# KiCad board driver.kicad_pcb (continued)
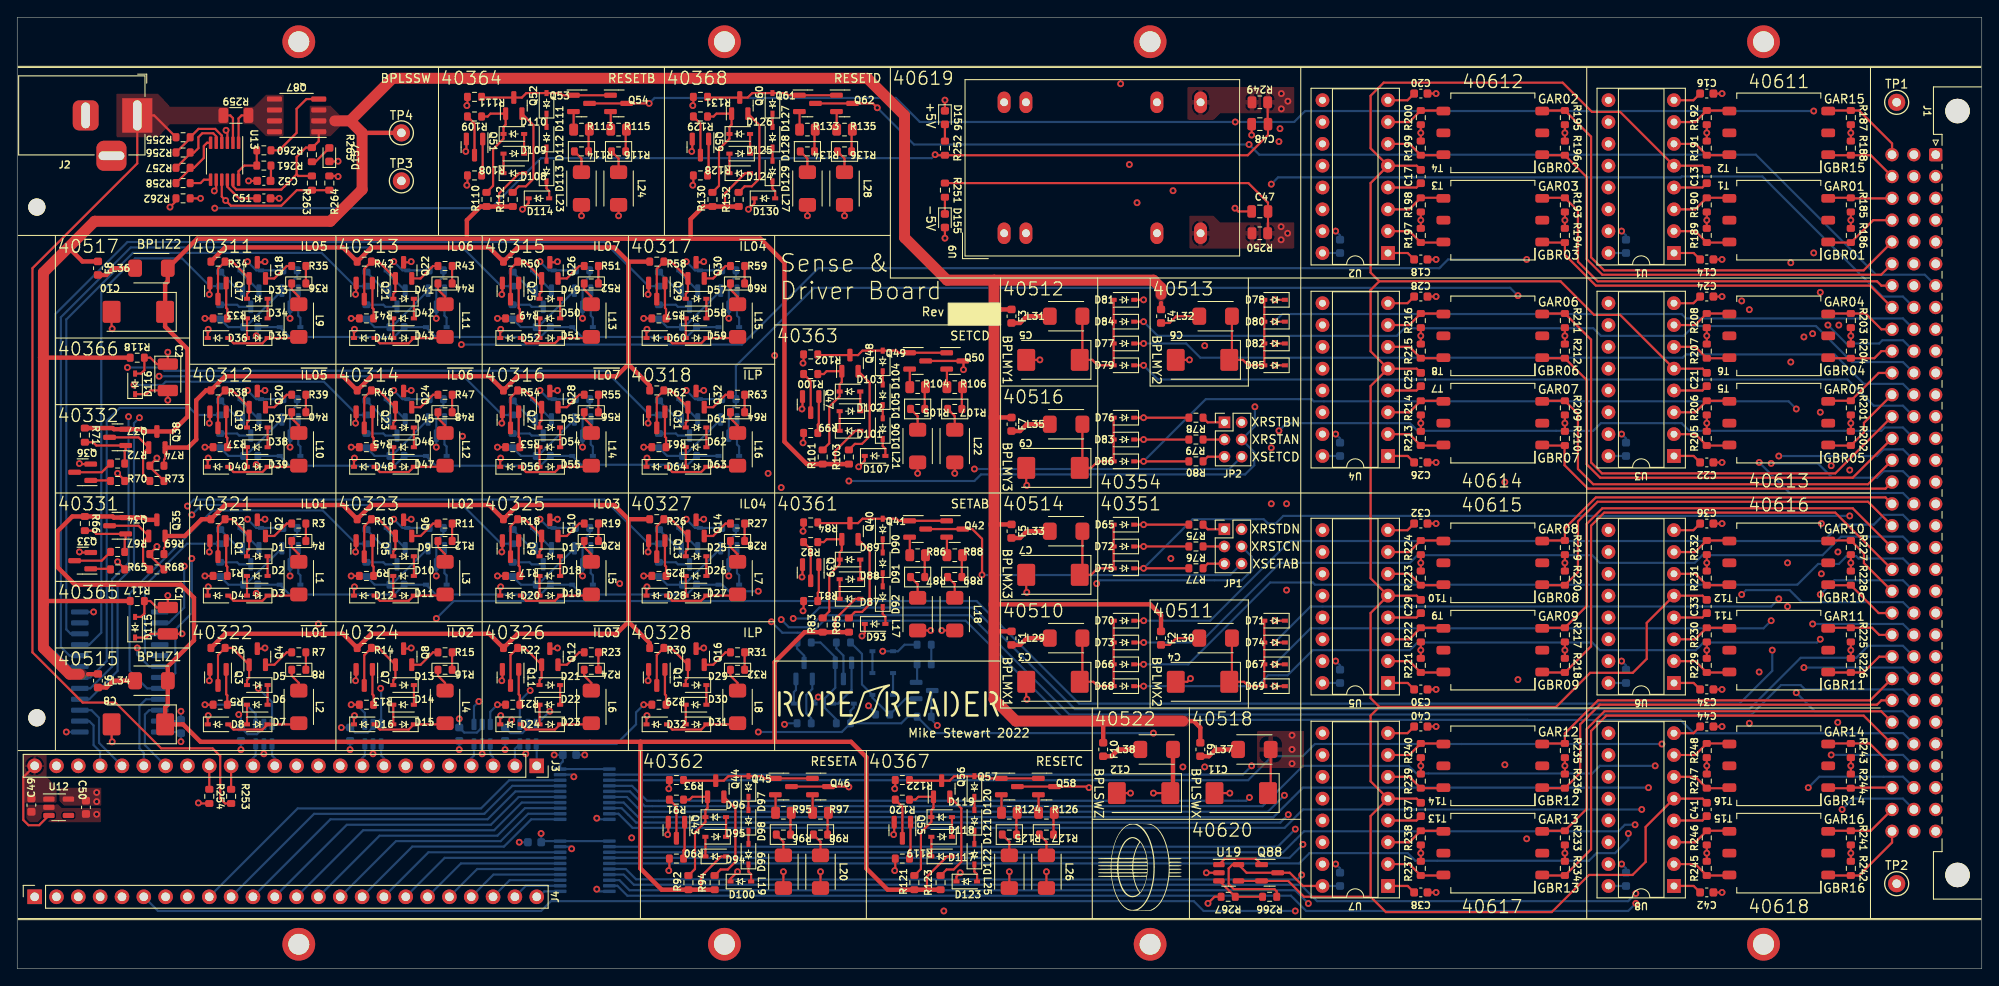
[diagram p0: board, top side]
## Routing (per net, layer and track width the routed paths; a pad name or vN(x,y) marks a point on that pad's centre or on a via; arc(x,y) is an arc through that point) (continued)
/Connector/XCN4: length 164
  Top w0.254: v1(79.88,82.3) 79.8,82.22 Q30.3
  In2.Cu w0.254: v1(213.23,58.04) 211.96,59.31 v1(211.96,74.91)
  In3.Cu w0.254: v1(211.96,74.91) 206.48,80.39 150.5,80.39 148.59,82.3 v1(79.88,82.3) ; J1.a16 221.96,57.91 213.36,57.91 v1(213.23,58.04)
/Connector/XCN5: length 199.4
  Top w0.254: Q20.3 28.75,67.23 v1(28.83,67.31)
  In3.Cu w0.254: v1(28.83,67.31) 30.99,65.15 89.79,65.15 90.68,64.26 91.82,64.26 92.71,65.15 143,65.15 144.65,63.5 160.4,63.5 161.29,64.39 180.59,64.39 181.48,63.5 195.2,63.5 196.09,62.61 216.41,62.61 216.79,62.99 221.96,62.99 J1.a14
/Connector/XCN6: length 180.6
  Top w0.254: v1(45.85,67.31) 45.77,67.23 Q24.3
  In3.Cu w0.254: J1.a12 221.96,68.07 217.42,68.07 215.39,66.04 150.88,66.04 150.62,66.29 90.93,66.29 90.42,65.79 47.37,65.79 v1(45.85,67.31)
/Connector/XCN7: length 165
  Top w0.254: Q28.3 62.79,67.23 v1(62.87,67.31)
  In3.Cu w0.254: v1(62.87,67.31) 63.75,66.42 90.17,66.42 90.68,66.93 149.22,66.93 150.88,68.58 202.56,68.58 206.63,72.64 216.92,72.64 217.42,73.15 221.96,73.15 J1.a10
/Connector/XCN8: length 197.9
  Top w0.254: v1(79.88,67.31) 79.8,67.23 Q32.3
  In2.Cu w0.254: v1(201.55,76.71) v1(201.55,28.58)
  In3.Cu w0.254: v1(201.55,76.71) 201.04,76.2 150.5,76.2 148.34,74.04 145.8,74.04 139.45,67.69 90.17,67.69 89.79,67.31 v1(79.88,67.31) ; J1.a27 221.96,29.97 215.77,29.97 215.14,30.61 203.58,30.61 v1(201.55,28.58)
/Connector/XFN1: length 203.8
  Top w0.254: Q2.3 28.75,52.25 v1(28.83,52.32)
  In2.Cu w0.254: v1(209.93,51.82) v1(209.93,45.97)
  In3.Cu w0.254: J1.a21 221.96,45.21 210.69,45.21 v1(209.93,45.97) ; v1(28.83,52.32) 30.35,50.8 81.41,50.8 83.31,52.71 209.04,52.71 v1(209.93,51.82)
/Connector/XFN2: length 181.5
  Top w0.254: Q6.3 45.77,52.25 v1(45.85,52.32)
  In3.Cu w0.254: J1.a19 221.96,50.29 217.17,50.29 213.87,53.59 212.85,53.59 212.6,53.34 82.93,53.34 81.03,51.44 46.74,51.44 v1(45.85,52.32)
/Connector/XFN3: length 163.1
  Top w0.254: Q10.3 62.79,52.25 v1(62.87,52.32)
  In3.Cu w0.254: J1.a17 221.96,55.37 217.17,55.37 216.79,54.99 79.12,54.99 76.45,52.32 v1(62.87,52.32)
/Connector/XFN4: length 152.4
  Top w0.254: Q14.3 79.8,52.25 v1(79.88,52.32)
  In2.Cu w0.254: v1(145.92,54.12) v1(145.92,60.63)
  In3.Cu w0.254: v1(145.92,54.12) 82.44,54.12 80.65,52.32 v1(79.88,52.32) ; v1(145.92,60.63) 146.25,60.96 194.06,60.96 194.56,60.45 221.96,60.45 J1.a15
/Connector/XFN5: length 213.6
  Top w0.254: Q18.3 28.75,82.22 v1(28.83,82.3)
  In2.Cu w0.254: v1(209.8,78.72) v1(209.8,64.77)
  In3.Cu w0.254: J1.a13 221.96,65.53 210.57,65.53 v1(209.8,64.77) ; v1(28.83,82.3) 30.35,80.77 63.63,80.77 66.04,83.19 148.59,83.19 150.75,81.03 207.5,81.03 v1(209.8,78.72)
/Connector/XFN6: length 192.9
  Top w0.254: Q22.3 45.77,82.22 v1(45.85,82.3)
  In2.Cu w0.254: v1(206.38,82.17) v1(206.38,70.61)
  In3.Cu w0.254: J1.a11 221.96,70.61 v1(206.38,70.61) ; v1(45.85,82.3) 46.74,81.41 63.37,81.41 65.79,83.82 148.84,83.82 151,81.66 205.87,81.66 v1(206.38,82.17)
/Connector/XFN7: length 170.4
  Top w0.254: Q26.3 62.79,82.22 v1(62.87,82.3)
  In3.Cu w0.254: v1(62.87,82.3) 65.02,84.46 105.54,84.46 108.71,87.63 149.48,87.63 149.99,87.12 160.53,87.12 161.42,88.01 183.13,88.01 184.02,87.12 193.93,87.12 194.82,88.01 201.68,88.01 214,75.69 221.96,75.69 J1.a9
/Connector/XFN8: length 147.3
  Top w0.254: Q16.3 79.8,37.26 v1(79.88,37.34)
  In3.Cu w0.254: J1.a25 221.96,35.05 217.17,35.05 216.03,36.2 196.22,36.2 195.33,37.08 184.28,37.08 183.39,36.2 162.94,36.2 162.05,37.08 150.88,37.08 150.11,36.32 130.3,36.32 130.05,36.07 100.2,36.07 98.93,37.34 v1(79.88,37.34)
/Connector/XRST1: length 212.2
  Top w0.254: Q45.3 Q46.3 96.73,21.21 v1(96.77,21.16)
  In2.Cu w0.254: v1(144.02,65.41) 144.02,94.85 v1(146.94,97.77) ; v1(96.77,21.16) v1(96.77,56.77)
  In3.Cu w0.254: J1.a2 221.96,93.47 211.84,93.47 205.49,99.82 148.99,99.82 v1(146.94,97.77)
  Bottom w0.254: v1(144.02,65.41) 144.02,63.14 142.48,61.59 143.94,60.13 143.94,58.6 142.88,57.53 112.14,57.53 111.38,56.77 v1(96.77,56.77)
/Connector/XRST2: length 210.9
  Top w0.254: Q53.3 Q54.3 v1(73.53,100.71)
  In2.Cu w0.254: 142.48,63.59 142.48,97.81 v1(141.73,98.55) ; v1(209.04,99.82) v1(209.04,83.31)
  In3.Cu w0.254: v1(209.04,83.31) 221.96,83.31 J1.a6
  Bottom w0.254: v1(209.04,99.82) 149.86,99.82 148.59,98.55 v1(141.73,98.55) 105.03,98.55 102.24,101.35 74.17,101.35 v1(73.53,100.71)
/Connector/XRST3: length 184.8
  Top w0.254: v1(124.71,21.08) 124.59,21.21 Q58.3 Q57.3
  In2.Cu w0.254: v1(124.71,21.08) 125.6,21.97 v1(125.6,44.83) ; JP1.4 144.91,51.59 144.91,94.36 v1(146.81,96.27)
  In3.Cu w0.254: J1.a3 221.96,90.93 212.98,90.93 205.74,98.17 194.69,98.17 193.8,97.28 181.74,97.28 180.85,98.17 161.67,98.17 160.78,97.28 147.83,97.28 v1(146.81,96.27)
  Bottom w0.254: JP1.4 143.64,47.97 143.64,46.36 142.49,45.21 125.98,45.21 v1(125.6,44.83)
/Connector/XRST4: length 184.8
  Top w0.254: Q61.3 Q62.3 99.57,100.71 v1(100.08,100.2)
  In2.Cu w0.254: JP1.2 143.76,52.45 143.76,64.39 143.13,65.02 143.13,95.12 143.34,95.33 v1(143.34,95.93)
  Bottom w0.254: J1.a7 221.96,80.77 216.28,80.77 202.31,94.74 144.53,94.74 v1(143.34,95.93) 104.35,95.93 v1(100.08,100.2)
/Connector/XSET1: length 146
  Top w0.254: v1(112.27,45.85) 112.27,50.04 111.12,51.18 Q42.3 Q41.3
  In2.Cu w0.254: v1(211.84,28.68) 211.85,28.7 v1(211.85,48.51)
  In3.Cu w0.254: J1.a29 221.96,24.89 215.63,24.89 v1(211.84,28.68) ; JP1.6 161.83,47.15 162.81,48.13 183.26,48.13 184.15,47.24 195.2,47.24 196.09,48.13 211.47,48.13 v1(211.85,48.51)
  Bottom w0.254: v1(112.27,45.85) 112.29,45.83 141.14,45.83 JP1.6
/Connector/XSET2: length 162.4
  Top w0.254: v1(110.11,69.72) 110.11,70.66 Q50.3 Q49.3
  In2.Cu w0.254: v1(211.07,24.89) 211.06,24.91 211.06,58.53 v1(211.07,58.55) ; v1(111.38,58.17) 111.38,68.45 v1(110.11,69.72)
  In3.Cu w0.254: v1(211.07,58.55) 210.57,58.04 151.51,58.04 149.95,59.59 142.48,59.59
  Bottom w0.254: J1.b29 219.42,24.89 v1(211.07,24.89) ; v1(111.38,58.17) 141.05,58.17 142.48,59.59
/FPGA and Power/ADC_5V: length 2.7
  Top w0.254: J3.16 R254.1
/FPGA and Power/ADC_14V: length 2.7
  Top w0.254: J3.15 R253.1
/FPGA and Power/EN_14V: length 84.9
  Top w0.254: R262.1 v1(21.34,89.66) ; v1(24.3,97.58) 24.45,97.43 U13.3
  In2.Cu w0.254: v1(24.3,97.58) 21.34,94.62 v1(21.34,89.66) 4.57,72.9 J3.23
/FPGA and Power/IHENV: length 53
  Top w0.254: v1(11.68,57.66) 12.51,56.83 12.51,56.77 ; 12.51,46.48 12.51,46.55 v1(11.68,47.37)
  In2.Cu w0.254: J4.5 12.19,21.34 13.46,22.61 13.46,25.78 11.68,27.56 v1(11.68,47.37) v1(11.68,57.66)
/FPGA and Power/IL1: length 28.6
  Top w0.254: R1.2 v1(21.84,45.72)
  In2.Cu w0.254: v1(21.84,45.72) 22.86,45.72 24.13,44.45 24.13,35.05 27.43,31.75 J3.14
  Bottom w0.254: U15.3 27.75,24.83 27.43,24.51 J3.14
/FPGA and Power/IL2: length 27.3
  Top w0.254: R9.2 v1(38.86,45.72)
  In2.Cu w0.254: J3.9 40.13,25.91 40.89,26.67 40.89,44.32 39.5,45.72 v1(38.86,45.72)
  Bottom w0.254: J3.9 40.13,24.51 40.45,24.83 U16.3
/FPGA and Power/IL3: length 26.5
  Top w0.254: R17.2 v1(55.88,45.72)
  In2.Cu w0.254: J3.3 55.37,25.78 54.74,26.42 54.74,44.58 v1(55.88,45.72)
  Bottom w0.254: U17.1 55.05,24.96 55.37,24.64 J3.3
/FPGA and Power/IL4: length 36.4
  Top w0.254: 73.85,45.72 v1(72.9,45.72)
  In2.Cu w0.254: J3.2 57.91,25.91 60.32,28.32 61.98,28.32 64.13,30.48 64.13,42.8 67.06,45.72 v1(72.9,45.72)
  Bottom w0.254: U18.3 57.91,25.59 J3.2
/FPGA and Power/IL5: length 60.3
  Top w0.254: R33.2 v1(21.84,75.69)
  In2.Cu w0.254: J3.13 29.97,33.02 25.78,37.21 25.78,73.79 23.88,75.69 v1(21.84,75.69)
  Bottom w0.254: U15.1 29.65,24.83 29.97,24.51 J3.13
/FPGA and Power/IL6: length 58.4
  Top w0.254: R41.2 v1(38.86,75.69)
  In2.Cu w0.254: v1(38.86,75.69) 40.01,75.69 42.67,73.03 42.67,34.29 43.18,33.78 43.18,32.13 42.67,31.62 J3.8
  Bottom w0.254: U16.1 42.35,24.83 42.67,24.51 J3.8
/FPGA and Power/IL7: length 57.6
  Top w0.254: R49.2 v1(55.88,75.69)
  In2.Cu w0.254: v1(55.88,75.69) 54.74,75.69 52.83,73.79 J3.4
  Bottom w0.254: U17.3 53.15,24.83 52.83,24.51 J3.4
/FPGA and Power/IL8: length 18.7
  Top w0.254: 73.85,30.73 v1(72.9,30.73)
  Bottom w0.254: v1(72.9,30.73) 72.01,29.84 72.01,28.45 69.73,26.17 U18.1 60.45,26.1 J3.1
/FPGA and Power/PG_14V: length 90.4
  Top w0.254: U13.9 23.8,89.86 v1(24.26,89.41) 24.86,88.81 30.73,88.81 32.54,90.62 R263.2 R264.1
  In2.Cu w0.254: v1(24.26,89.41) 22.48,89.41 6.1,73.03 6.1,47.5 7.11,46.48 J3.22
/FPGA and Power/RESET1: length 58.7
  Top w0.254: v1(75.82,11.43) 75.88,11.49 R90.2
  In3.Cu w0.254: J4.8 22.86,11.43 v1(75.82,11.43)
/FPGA and Power/RESET2: length 73.9
  Top w0.254: R108.2 52.39,91.25 v1(52.32,91.19)
  In2.Cu w0.254: v1(52.32,91.19) 49.02,91.19 44.83,87 44.83,36.45 45.21,36.07 J3.7
/FPGA and Power/RESET3: length 88.2
  Top w0.254: R119.2 102.17,11.49 v1(102.11,11.43)
  In3.Cu w0.254: J4.7 21.1,12.21 101.33,12.21 v1(102.11,11.43)
/FPGA and Power/RESET4: length 97.2
  Top w0.254: v1(78.61,91.19) 78.68,91.25 R128.2
  In2.Cu w0.254: v1(78.61,91.19) 77.47,90.04 50.67,90.04 47.75,87.12 J3.6
/FPGA and Power/ROPER: length 56.6
  In3.Cu w0.254: J3.10 37.59,26.04 38.23,26.67 87.5,26.67 v1(89.28,28.45)
  Bottom w0.254: v1(89.28,28.45) 89.41,28.58 R268.2
/FPGA and Power/SA1: length 192.8
  In2.Cu w0.254: U1.14 186.29,88.38 187.58,87.09 187.58,64.39 188.85,63.12 188.85,38.48 190.59,36.74 v1(190.59,23.62)
  Bottom w0.254: U11.5 71.3,20.65 73.03,18.92 144.91,18.92 149.61,23.62 161.92,23.62 162.81,22.73 183.26,22.73 184.15,23.62 v1(190.59,23.62)
/FPGA and Power/SA2: length 148.4
  In2.Cu w0.254: U2.12 150.5,92.08 150.5,87.88 149.99,87.38 149.99,69.72 149.35,69.09 149.35,65.02 148.72,64.39 148.72,43.94 147.95,43.18 147.95,39.24 147.32,38.61 147.32,29.34 143.64,25.65 v1(143.64,23.62)
  Bottom w0.254: v1(143.64,23.62) 142.61,22.59 U11.2
/FPGA and Power/SA3: length 147.3
  In2.Cu w0.254: v1(143.38,19.94) 145.03,21.59 145.03,26.16 147.95,29.08 147.95,38.35 148.59,38.99 148.59,42.93 149.35,43.69 149.35,64.14 149.99,64.77 149.99,68.83 150.62,69.47 150.62,87.12 U2.14
  Bottom w0.254: v1(143.38,19.94) 143,19.56 73.28,19.56 71.54,21.3 U11.4
/FPGA and Power/SA4: length 173.7
  In2.Cu w0.254: v1(189.81,21.08) 189.81,36.5 188.21,38.1 188.21,62.74 186.44,64.52 186.44,68.56 U3.12
  Bottom w0.254: v1(189.81,21.08) 149.61,21.08 146.18,17.65 72.26,17.65 70.57,19.34 68.9,19.34
/FPGA and Power/SA5: length 169.6
  In2.Cu w0.254: v1(189.03,18.54) 189.03,36.39 187.58,37.85 187.58,62.45 185.26,64.76 U3.14
  Bottom w0.254: v1(189.03,18.54) 149.61,18.54 147.47,16.4 71.61,16.4 69.97,18.05 U11.9
/FPGA and Power/SA6: length 131.5
  In2.Cu w0.254: U4.12 150.62,68.58 150.62,64.52 149.99,63.88 149.99,43.43 149.22,42.67 149.22,38.73 148.59,38.1 148.59,28.83 147.45,27.69 v1(147.45,20.19)
  Bottom w0.254: v1(147.45,20.19) 145.54,18.29 72.64,18.29 70.94,20 U11.6
/FPGA and Power/SA7: length 128.5
  In2.Cu w0.254: v1(147.9,17.94) 147.9,18.74 149.22,20.07 149.22,37.72 149.86,38.35 149.86,42.42 150.62,43.18 150.62,63.5 U4.14
  Bottom w0.254: U11.8 70.33,18.7 72.01,17.02 146.98,17.02 v1(147.9,17.94)
/FPGA and Power/SA8: length 109.1
  In2.Cu w0.254: U5.12 150.5,42.04 150.5,37.97 149.86,37.34 149.86,19.81 148.72,18.67 v1(148.72,16.26)
  Bottom w0.254: U10.2 146.67,14.21 v1(148.72,16.26)
/FPGA and Power/SA9: length 106.2
  In2.Cu w0.254: v1(149.61,14.48) 149.61,18.67 150.5,19.56 150.5,36.96 U5.14
  Bottom w0.254: v1(149.61,14.48) 148.04,12.91 U10.4
/FPGA and Power/SA10: length 148.6
  In2.Cu w0.254: v1(188.25,16.76) 188.25,36.29 186.44,38.1 186.44,42.14 U6.12
  Bottom w0.254: v1(188.25,16.76) 187.07,16.76 186.31,16 149.73,16 147.29,13.56 U10.3
/FPGA and Power/SA11: length 144.8
  In2.Cu w0.254: U6.14 185.26,38.34 187.47,36.14 v1(187.47,15.75)
  Bottom w0.254: v1(187.47,15.75) 187.47,15 185.93,13.46 183.77,13.46 182.88,12.57 162.69,12.57 161.8,13.46 150.37,13.46 149.17,12.26 U10.5
/FPGA and Power/SA12: length 91.2
  In2.Cu w0.254: v1(149.46,10.92) 149.46,13.19 150.5,14.22 150.5,18.42 U7.12
  Bottom w0.254: U10.6 70.81,11.61 72.01,10.41 79.5,10.41 79.52,10.4 148.93,10.4 v1(149.46,10.92)
/FPGA and Power/SA13: length 90.3
  In2.Cu w0.254: U7.14 150.24,13.08 v1(150.24,7.6)
  Bottom w0.254: U10.8 70.08,10.31 71.25,9.14 148.7,9.14 v1(150.24,7.6)
/FPGA and Power/SA14: length 133.4
  In2.Cu w0.254: U8.12 186.69,18.27 186.69,15.37 188.34,13.72 v1(188.34,8.76)
  Bottom w0.254: v1(188.34,8.76) 187.45,7.87 151.26,7.87 149.35,9.78 71.75,9.78 70.57,10.96 U10.7
/FPGA and Power/SA15: length 194.1
  In2.Cu w0.254: v1(191.37,26.16) 191.37,36.85 189.48,38.73 189.48,63.5 188.21,64.77 188.21,87.38 186.44,89.15 186.44,92.18 U1.12
  Bottom w0.254: v1(191.37,26.16) 151,26.16 149.59,24.75 146.03,24.75 143.23,21.95 U11.3
/FPGA and Power/SA16: length 130.1
  In2.Cu w0.254: U8.14 186.29,14.72 187.47,13.54 187.47,8.49 v1(188.34,7.62)
  Bottom w0.254: v1(188.34,7.62) 187.45,6.73 149.99,6.73 148.21,8.51 70.99,8.51 69.84,9.66 68.9,9.66
/FPGA and Power/SAF1: length 38
  Bottom w0.254: U11.15 58.35,20 55.12,16.76 38.35,16.76 J4.12
/FPGA and Power/SAF2: length 46.4
  Bottom w0.254: U11.18 57.25,21.95 53.98,18.67 32.64,18.67 J4.9
/FPGA and Power/SAF3: length 40.8
  Bottom w0.254: U11.16 57.98,20.65 54.74,17.4 36.45,17.4 J4.11
/FPGA and Power/SAF4: length 32.4
  Bottom w0.254: U11.13 59.08,18.7 55.88,15.49 42.16,15.49 J4.14
/FPGA and Power/SAF5: length 26.8
  Bottom w0.254: U11.11 59.81,17.4 56.64,14.22 45.97,14.22 J4.16
/FPGA and Power/SAF6: length 35.2
  Bottom w0.254: 63.18,19.34 58.71,19.34 55.5,16.13 40.26,16.13 J4.13
/FPGA and Power/SAF7: length 29.6
  Bottom w0.254: J4.15 44.07,14.86 56.26,14.86 59.45,18.05 U11.12
/FPGA and Power/SAF8: length 22.7
  Bottom w0.254: U10.18 47.85,13.56 J4.17
/FPGA and Power/SAF9: length 17
  Bottom w0.254: J4.19 51.63,12.26 U10.16
/FPGA and Power/SAF10: length 19.8
  Bottom w0.254: U10.17 49.74,12.91 J4.18
/FPGA and Power/SAF11: length 14.2
  Bottom w0.254: U10.15 53.52,11.61 J4.20
/FPGA and Power/SAF12: length 11.4
  Bottom w0.254: J4.21 55.41,10.96 U10.14
/FPGA and Power/SAF13: length 5.8
  Bottom w0.254: J4.23 59.19,9.66 63.18,9.66
/FPGA and Power/SAF14: length 8.6
  Bottom w0.254: U10.13 57.3,10.31 J4.22
/FPGA and Power/SAF15: length 43.6
  Bottom w0.254: J4.10 34.54,18.03 54.36,18.03 57.62,21.3 U11.17
/FPGA and Power/SAF16: length 3
  Bottom w0.254: J4.24 60.71,8.38 61.34,9.01 U10.11
/FPGA and Power/SBF: length 362.5
  In2.Cu w0.254: U8.15 183.77,13.57 183.77,20.96 U8.11 183.77,23.73 183.77,34.42 U6.15 183.77,37.19 183.77,44.58 U6.11 183.77,47.35 183.77,60.83 U3.15 183.77,63.61 183.77,70.99 U3.11 183.77,73.77 183.77,84.46 U1.15 183.77,87.23 183.77,94.62 U1.11 ; U2.11 153.16,94.72 153.16,87.12 U2.15 153.16,84.56 153.16,73.66 U4.11 153.16,71.1 153.16,63.5 U4.15 153.16,60.94 153.16,47.24 U5.11 153.16,44.68 153.16,37.08 U5.15 153.16,34.52 153.16,23.62 U7.11 153.16,21.06 153.16,13.46 U7.15 153.42,10.65 153.42,9.02 151.13,6.73 v1(148.72,6.73)
  In3.Cu w0.254: U8.15 183.9,10.92 153.14,10.92 U7.15
  Bottom w0.254: v1(148.72,6.73) 138.05,6.73 136.91,7.87 62.1,7.87 60.96,6.73 16.38,6.73 J4.6
/FPGA and Power/SE1: length 59.5
  Bottom w0.254: U14.9 8.38,37.72 9.78,39.12 9.78,78.74 13.72,82.68 19.18,82.68 22.41,79.44 23.62,79.44
/FPGA and Power/SE2: length 77.6
  Bottom w0.254: 40.64,79.44 39.31,79.44 35.43,83.31 13.46,83.31 5.71,75.56 5.71,39.5 6.22,38.99 U14.10
/FPGA and Power/SE3: length 98.8
  Bottom w0.254: U14.8 6.1,36.45 5.08,37.47 5.08,75.82 13.21,83.95 51.82,83.95 56.32,79.44 57.66,79.44
/FPGA and Power/SE4: length 118.7
  Bottom w0.254: U14.7 6.1,35.18 4.45,36.83 4.45,76.2 12.83,84.58 68.33,84.58 73.47,79.44 74.68,79.44
/FPGA and Power/SE5: length 46
  Bottom w0.254: R153.2 20.89,64.45 20.07,65.28 11.94,65.28 10.41,63.75 10.41,35.81 8.51,33.91 U14.6
/FPGA and Power/SE6: length 67.4
  In2.Cu w0.254: v1(13.59,67.95) 12.95,67.31 v1(12.95,64.26)
  Bottom w0.254: R157.2 39.56,64.45 35.69,68.33 17.27,68.33 16.89,67.95 v1(13.59,67.95) ; U14.5 8.51,32.64 11.05,35.18 11.05,45.34 12.95,47.24 v1(12.95,64.26)
/FPGA and Power/SE7: length 85.1
  In2.Cu w0.254: v1(16.51,68.96) 14.22,66.68 v1(14.22,64.14)
  Bottom w0.254: v1(14.22,64.14) 13.59,63.5 13.59,46.86 11.68,44.96 11.68,34.67 8.38,31.37 7.29,31.37 ; v1(16.51,68.96) 51.94,68.96 56.45,64.45 R161.2
/FPGA and Power/SE8: length 101.8
  In2.Cu w0.254: v1(13.97,37.34) 13.97,61.85 12.07,63.75 12.07,69.22 v1(12.83,69.98)
  Bottom w0.254: v1(13.97,37.34) 13.97,36.58 15.37,35.18 U14.18 ; v1(12.83,69.98) 16.76,69.98 17.15,69.6 68.45,69.6 73.6,64.45 R165.2
/FPGA and Power/SE9: length 20.4
  Bottom w0.254: U14.17 15.24,36.45 14.86,36.83 14.86,44.58 19.75,49.47 R169.2
/FPGA and Power/SE10: length 46.5
  Bottom w0.254: R173.2 39.43,49.47 35.56,53.34 22.73,53.34 13.08,43.69 13.08,34.67 15.11,32.64 U14.20
/FPGA and Power/SE11: length 60.9
  In2.Cu w0.254: v1(20.32,47.75) v1(20.32,52.83)
  Bottom w0.254: U14.19 17.91,33.91 18.4,34.4 18.4,39.48 20.32,41.4 v1(20.32,47.75) ; v1(20.32,52.83) 21.46,53.98 51.82,53.98 56.32,49.47 R177.2
/FPGA and Power/SE12: length 72.9
  In2.Cu w0.254: v1(19.81,53.85) 19.43,53.47 v1(19.43,46.86)
  Bottom w0.254: v1(19.81,53.85) 20.57,54.61 68.33,54.61 73.47,49.47 R181.2 ; U14.14 17.65,40.26 19.43,42.04 v1(19.43,46.86)
/FPGA and Power/SET1: length 74.7
  Top w0.254: R81.2 91.5,41.72 v1(91.44,41.66)
  In2.Cu w0.254: v1(35.05,40.13) J3.11
  In3.Cu w0.254: v1(35.05,40.13) 36.58,41.66 v1(91.44,41.66)
/FPGA and Power/SET2: length 80.1
  Top w0.254: v1(91.44,61.21) 91.5,61.28 R99.2
  In2.Cu w0.254: v1(51.82,61.98) 50.29,60.45 J3.5
  In3.Cu w0.254: v1(91.44,61.21) 90.68,61.98 v1(51.82,61.98)
/FPGA and Power/STRA0: length 6.8
  Bottom w0.254: U14.2 8.38,28.83 8.89,28.32 8.89,26.04 9.65,25.27 J3.21
/FPGA and Power/STRA1: length 9.3
  Bottom w0.254: U14.3 8.64,30.1 9.52,29.21 9.52,26.29 J3.20
/FPGA and Power/STRA2: length 9.9
  Bottom w0.254: 16.59,31.37 14.99,31.37 14.22,30.61 14.22,25.65 14.73,25.15 J3.19
/FPGA and Power/STRA3: length 8.9
  Bottom w0.254: J3.18 14.86,26.04 14.86,29.59 15.37,30.1 U14.22
/FPGA and Power/~{IL1}: length 8.5
  Top w0.254: R5.2 v1(21.84,30.73)
  Bottom w0.254: U15.4 27.75,29.65 26.67,30.73 v1(21.84,30.73)
/FPGA and Power/~{IL2}: length 4.3
  Top w0.254: R13.2 v1(38.86,30.73)
  Bottom w0.254: U16.4 40.45,29.78 39.5,30.73 v1(38.86,30.73)
/FPGA and Power/~{IL3}: length 3.6
  Top w0.254: R21.2 v1(55.88,30.73)
  Bottom w0.254: U17.6 55.05,29.91 v1(55.88,30.73)
/FPGA and Power/~{IL4}: length 60.9
  Top w0.254: 73.85,75.69 v1(72.9,75.69)
  In2.Cu w0.254: v1(59.69,32.39) 59.69,73.91 60.58,74.8 72.01,74.8 v1(72.9,75.69)
  Bottom w0.254: U18.4 58.49,31.18 v1(59.69,32.39)
/FPGA and Power/~{IL5}: length 36.9
  Top w0.254: R37.2 v1(21.84,60.71)
  In2.Cu w0.254: v1(21.84,60.71) 22.61,60.71 25.02,58.29 25.02,35.69 v1(28.07,32.64)
  Bottom w0.254: U15.6 29.65,31.05 v1(28.07,32.64)
/FPGA and Power/~{IL6}: length 35.6
  Top w0.254: R45.2 v1(38.86,60.71)
  In2.Cu w0.254: v1(38.86,60.71) 40.39,60.71 41.78,59.31 41.78,33.15 v1(42.29,32.64)
  Bottom w0.254: U16.6 42.35,32.58 v1(42.29,32.64)
/FPGA and Power/~{IL7}: length 35.2
  Top w0.254: R53.2 v1(55.88,60.71)
  In2.Cu w0.254: v1(55.88,60.71) 54.48,60.71 53.72,59.94 v1(53.72,31.12)
  Bottom w0.254: v1(53.72,31.12) 53.15,30.55 U17.4
/FPGA and Power/~{IL8}: length 43.5
  Top w0.254: 73.85,60.71 v1(72.9,60.71)
  In2.Cu w0.254: v1(61.98,29.97) 61.98,58.42 63.37,59.82 72.01,59.82 v1(72.9,60.71)
  Bottom w0.254: U18.6 60.45,28.44 v1(61.98,29.97)
/Rope Drivers/40331A: length 132.1
  Top w0.254: Q35.2 17.21,49.08 17.08,48.96 R69.1
  Top w0.508: R6.1 24.19,38.99 37.91,38.99 R14.1 41.21,38.99 54.93,38.99 R22.1 58.23,38.99 69.72,38.99 71.12,40.39 ; 71.12,52.32 71.12,40.39 ; 71.12,52.32 R26.1 ; 71.12,52.32 69.47,53.98 58.23,53.98 R18.1 54.93,53.98 41.21,53.98 R10.1 37.91,53.98 24.19,53.98 R2.1 21.46,52.32 19.51,50.37 Q35.2 ; 71.12,40.39 73.6,37.91 R30.1
/Rope Drivers/40332A: length 136.7
  Top w0.254: Q38.2 17.21,59.37 17.08,59.25 R74.1
  Top w0.508: 71.12,82.3 69.47,83.95 58.23,83.95 R50.1 54.93,83.95 41.21,83.95 R42.1 37.91,83.95 24.19,83.95 R34.1 ; 71.12,82.3 71.12,70.36 ; 71.12,82.3 R58.1 ; 71.12,70.36 69.72,68.96 58.23,68.96 R54.1 54.93,68.96 41.21,68.96 R46.1 37.91,68.96 24.19,68.96 R38.1 21.97,67.31 20.83,66.17 20.83,61.59 19.89,60.66 Q38.2 ; 71.12,70.36 73.6,67.88 R62.1
/Rope Drivers/40365A: length 23.7
  Top w0.254: Q3.2 22.42,33.59 v1(22.35,33.53) ; v1(73.41,33.53) 73.47,33.59 Q15.2 ; v1(56.39,33.53) 56.45,33.59 Q11.2 ; v1(7.24,48.51) 7.3,48.45 Q33.2 ; v1(73.41,48.51) 73.47,48.58 Q13.2 ; 102.05,17.07 102.05,15.69 v1(101.98,15.62) ; v1(75.69,15.62) 75.76,15.69 Q43.2 ; D115.2 14.41,40.95 14.8,41.34 R117.1 15.49,42.8 16.24,42.05 C1.1 v1(17.53,43.43) ; Q5.2 39.44,48.58 v1(39.37,48.51) ; Q39.2 91.38,45.66 v1(91.31,45.59) ; Q7.2 39.44,33.59 v1(39.37,33.53) ; Q1.2 22.42,48.58 v1(22.35,48.51) ; v1(56.39,48.51) 56.45,48.58 Q9.2
/Rope Drivers/40366A: length 23.7
  Top w0.254: Q47.2 91.38,65.22 v1(91.31,65.15) ; v1(73.41,78.49) 73.47,78.55 Q29.2 ; Q25.2 56.45,78.55 v1(56.39,78.49) ; Q59.2 78.55,95.19 v1(78.49,95.12) ; Q21.2 39.44,78.55 v1(39.37,78.49) ; Q17.2 22.42,78.55 v1(22.35,78.49) ; Q27.2 56.45,63.57 v1(56.39,63.5) ; Q31.2 73.47,63.57 v1(73.41,63.5) ; Q36.2 7.3,58.73 v1(7.24,58.8) ; Q51.2 52.26,95.19 v1(52.2,95.12) ; v1(39.37,63.5) 39.44,63.57 Q23.2 ; v1(22.35,63.5) 22.42,63.57 Q19.2 ; v1(17.53,71.76) C2.1 16.24,70.37 15.49,71.12 R118.1 14.8,69.66 14.41,69.27 D116.2
/Rope Drivers/BPLIZ1: length 215.9
  Top w0.254: D94.2 81.91,13.08 79.56,10.73 79.56,9.21 ; 105.85,9.21 105.85,10.73 108.2,13.08 D117.2 ; 95.19,39.18 95.19,40.7 97.54,43.05 D87.2
  Top w0.508: Q35.3 15.06,52.25 14.8,52.51 Q34.2 11.24,52.51 11.11,52.64 R66.1 6.41,52.64 4.7,50.93 4.7,46.74 6.73,44.7 19.05,44.7 20.57,43.18 20.57,38.23 17.53,35.18 L34.2 17.53,30.73 17.21,30.42 C8.1 19.3,28.45 21.34,26.42 72.52,26.42 ; R85.1 R83.1 91.63,39.18 88.14,35.69 88.14,26.54 88.01,26.42 ; 88.01,26.42 72.52,26.42 ; 88.01,26.42 97.03,26.42 98.81,24.64 98.81,11.68 101.28,9.21 R121.1 R123.1 ; 72.52,26.42 72.52,11.68 74.99,9.21 R92.1 R94.1
/Rope Drivers/BPLIZ2: length 167.9
  Top w0.254: 82.36,88.71 82.36,90.23 84.71,92.58 D124.2 ; D108.2 58.42,92.58 56.07,90.23 56.07,88.71 ; 95.19,58.74 95.19,60.26 97.54,62.61 D101.2
  Top w0.508: R103.1 R101.1 91.88,58.74 89.28,61.34 89.28,82.17 86.49,84.96 78.36,84.96 ; R71.1 11.11,62.93 11.24,62.8 Q37.2 14.42,62.8 14.68,62.53 Q38.3 18.08,62.53 19.81,64.26 19.81,72.14 17.21,74.74 C10.1 17.21,79.69 17.52,80 L36.2 20.95,84.96 52.32,84.96 ; 78.36,84.96 78.36,87.25 79.82,88.71 R130.1 R132.1 ; 78.36,84.96 52.32,84.96 ; R112.1 R110.1 53.91,88.71 52.32,87.12 52.32,84.96
/Rope Drivers/BPLMX1: length 17
  Top w0.254: L29.2 123.95,33.71 C3.1 125.22,33.4 125.73,32.89 D68.2 127.58,40.51
/Rope Drivers/BPLMX2: length 17.1
  Top w0.254: D71.2 D69.2 143.26,32.89 142.75,33.4 C4.1 141.35,33.71 L30.2
/Rope Drivers/BPLMX3: length 14.5
  Top w0.254: L33.2 123.95,46.16 C7.1 124.97,45.85 125.73,46.61 D75.2 D65.2
/Rope Drivers/BPLMY1: length 17
  Top w0.254: L31.2 123.95,71.18 C5.1 125.09,70.87 125.73,70.23 D79.2 D81.2
/Rope Drivers/BPLMY2: length 17.2
  Top w0.254: L32.2 141.35,71.18 C6.1 142.62,70.87 143.26,70.23 D85.2 D78.2
/Rope Drivers/BPLMY3: length 14.5
  Top w0.254: D76.2 D86.2 125.73,59.06 124.97,58.29 C9.1 123.95,58.6 L35.2
/Sense Amplifiers/BPLSWX: length 35.7
  Top w0.254: R227.2 v1(213.36,47.24) R228.1 ; R212.1 v1(180.09,73.66) R211.2 ; R185.2 v1(213.36,87.12) 213.36,86.17 ; R226.1 v1(213.36,37.08) R225.2 ; R244.1 v1(213.36,23.62) R243.2 ; R218.1 v1(180.09,37.08) R217.2 ; R220.1 v1(180.09,47.24) R219.2 ; 180.09,86.17 v1(180.09,87.12) R193.2 ; R235.2 v1(180.09,23.62) R236.1 ; R201.2 v1(213.36,63.5) R202.1 ; C11.1 145.85,20.76 L37.2 ; R233.2 v1(180.09,13.46) 180.09,12.51 ; R210.1 v1(180.09,63.5) R209.2 ; R188.1 v1(213.36,97.28) 213.36,98.24 ; 213.36,12.51 v1(213.36,13.46) R241.2 ; 180.09,96.33 v1(180.09,97.28) R195.2 ; R203.2 v1(213.36,73.66) R204.1
  vias: v1(148.34,27.18) v1(148.34,25.53) v1(148.34,23.88)
/Sense Amplifiers/VREF: length 314.3
  Top w0.254: 157.48,8.38 157.48,17.78 U7.5 ; 157.48,8.38 159.26,6.6 178.56,6.6 182.88,10.92 187.96,10.92 189.48,12.45 189.48,16.51 U8.5 196.11,19.8 C41.2 ; 157.48,8.38 149.73,8.38 147.89,10.23 Q88.2 U19.4 ; C17.2 162.84,93.46 U2.5 ; U7.5 157.48,21.82 157.48,29.46 158.5,30.48 ; U7.5 162.84,19.8 C37.2 ; C21.2 196.11,69.84 U3.5 186.52,76.1 183.49,76.1 179.58,80.01 158.5,80.01 ; 158.5,80.01 157.48,78.99 157.48,71.86 U4.5 ; 158.5,80.01 157.48,81.03 157.48,91.44 U2.5 ; 158.5,30.48 157.48,31.5 157.48,41.4 U5.5 ; 158.5,30.48 179.07,30.48 183.03,34.44 187.99,34.44 189.61,36.07 189.61,40.26 U6.5 196.11,43.42 C33.2 ; C13.2 196.11,93.46 U1.5 186.52,99.72 183.23,99.72 179.83,103.12 159,103.12 157.48,101.6 157.48,95.48 U2.5 ; U4.5 157.48,67.82 157.48,45.45 U5.5 ; U4.5 162.84,69.84 C25.2 ; C29.2 162.84,43.42 U5.5
/Strand Select/BPLSWZ: length 287.9
  Top w0.254: v1(132.21,20.45) C12.1
  Top w0.508: L38.2 134.49,20.76 C12.1
  In2.Cu w0.254: v1(132.21,20.45) v1(132.21,27.43) ; v1(27.81,73.66) v1(27.81,58.67) v1(27.81,43.69) ; v1(86.23,27.56) v1(86.23,43.94)
  Bottom w0.254: R269.1 102.87,28.58 103.63,29.34 R273.1 106.62,27.43 v1(132.21,27.43) ; R269.1 96.96,30.04 97.34,30.41 D159.2 ; R269.1 95.95,27.56 v1(86.23,27.56) ; v1(86.23,43.94) 82.8,43.94 82.04,44.7 D154.2 79.06,44.7 77.91,43.56 65.73,43.56 D152.2 R178.1 60.9,43.56 48.71,43.56 D150.2 R174.1 43.88,43.56 31.69,43.56 D148.2 R170.1 28,43.88 v1(27.81,43.69) ; v1(27.81,58.67) 28,58.86 R154.1 D140.2 31.69,58.55 43.88,58.55 R158.1 D142.2 48.71,58.55 60.9,58.55 R162.1 D144.2 65.62,58.66 78.02,58.66 79.06,59.69 D146.2 ; D138.2 79.06,74.68 77.91,73.53 65.73,73.53 D136.2 R146.1 60.9,73.53 48.71,73.53 D134.2 R142.1 43.88,73.53 31.69,73.53 D132.2 R138.1 28,73.85 v1(27.81,73.66)